# Altium PCB carrier.PcbDoc (part 4 of 5) (continued)
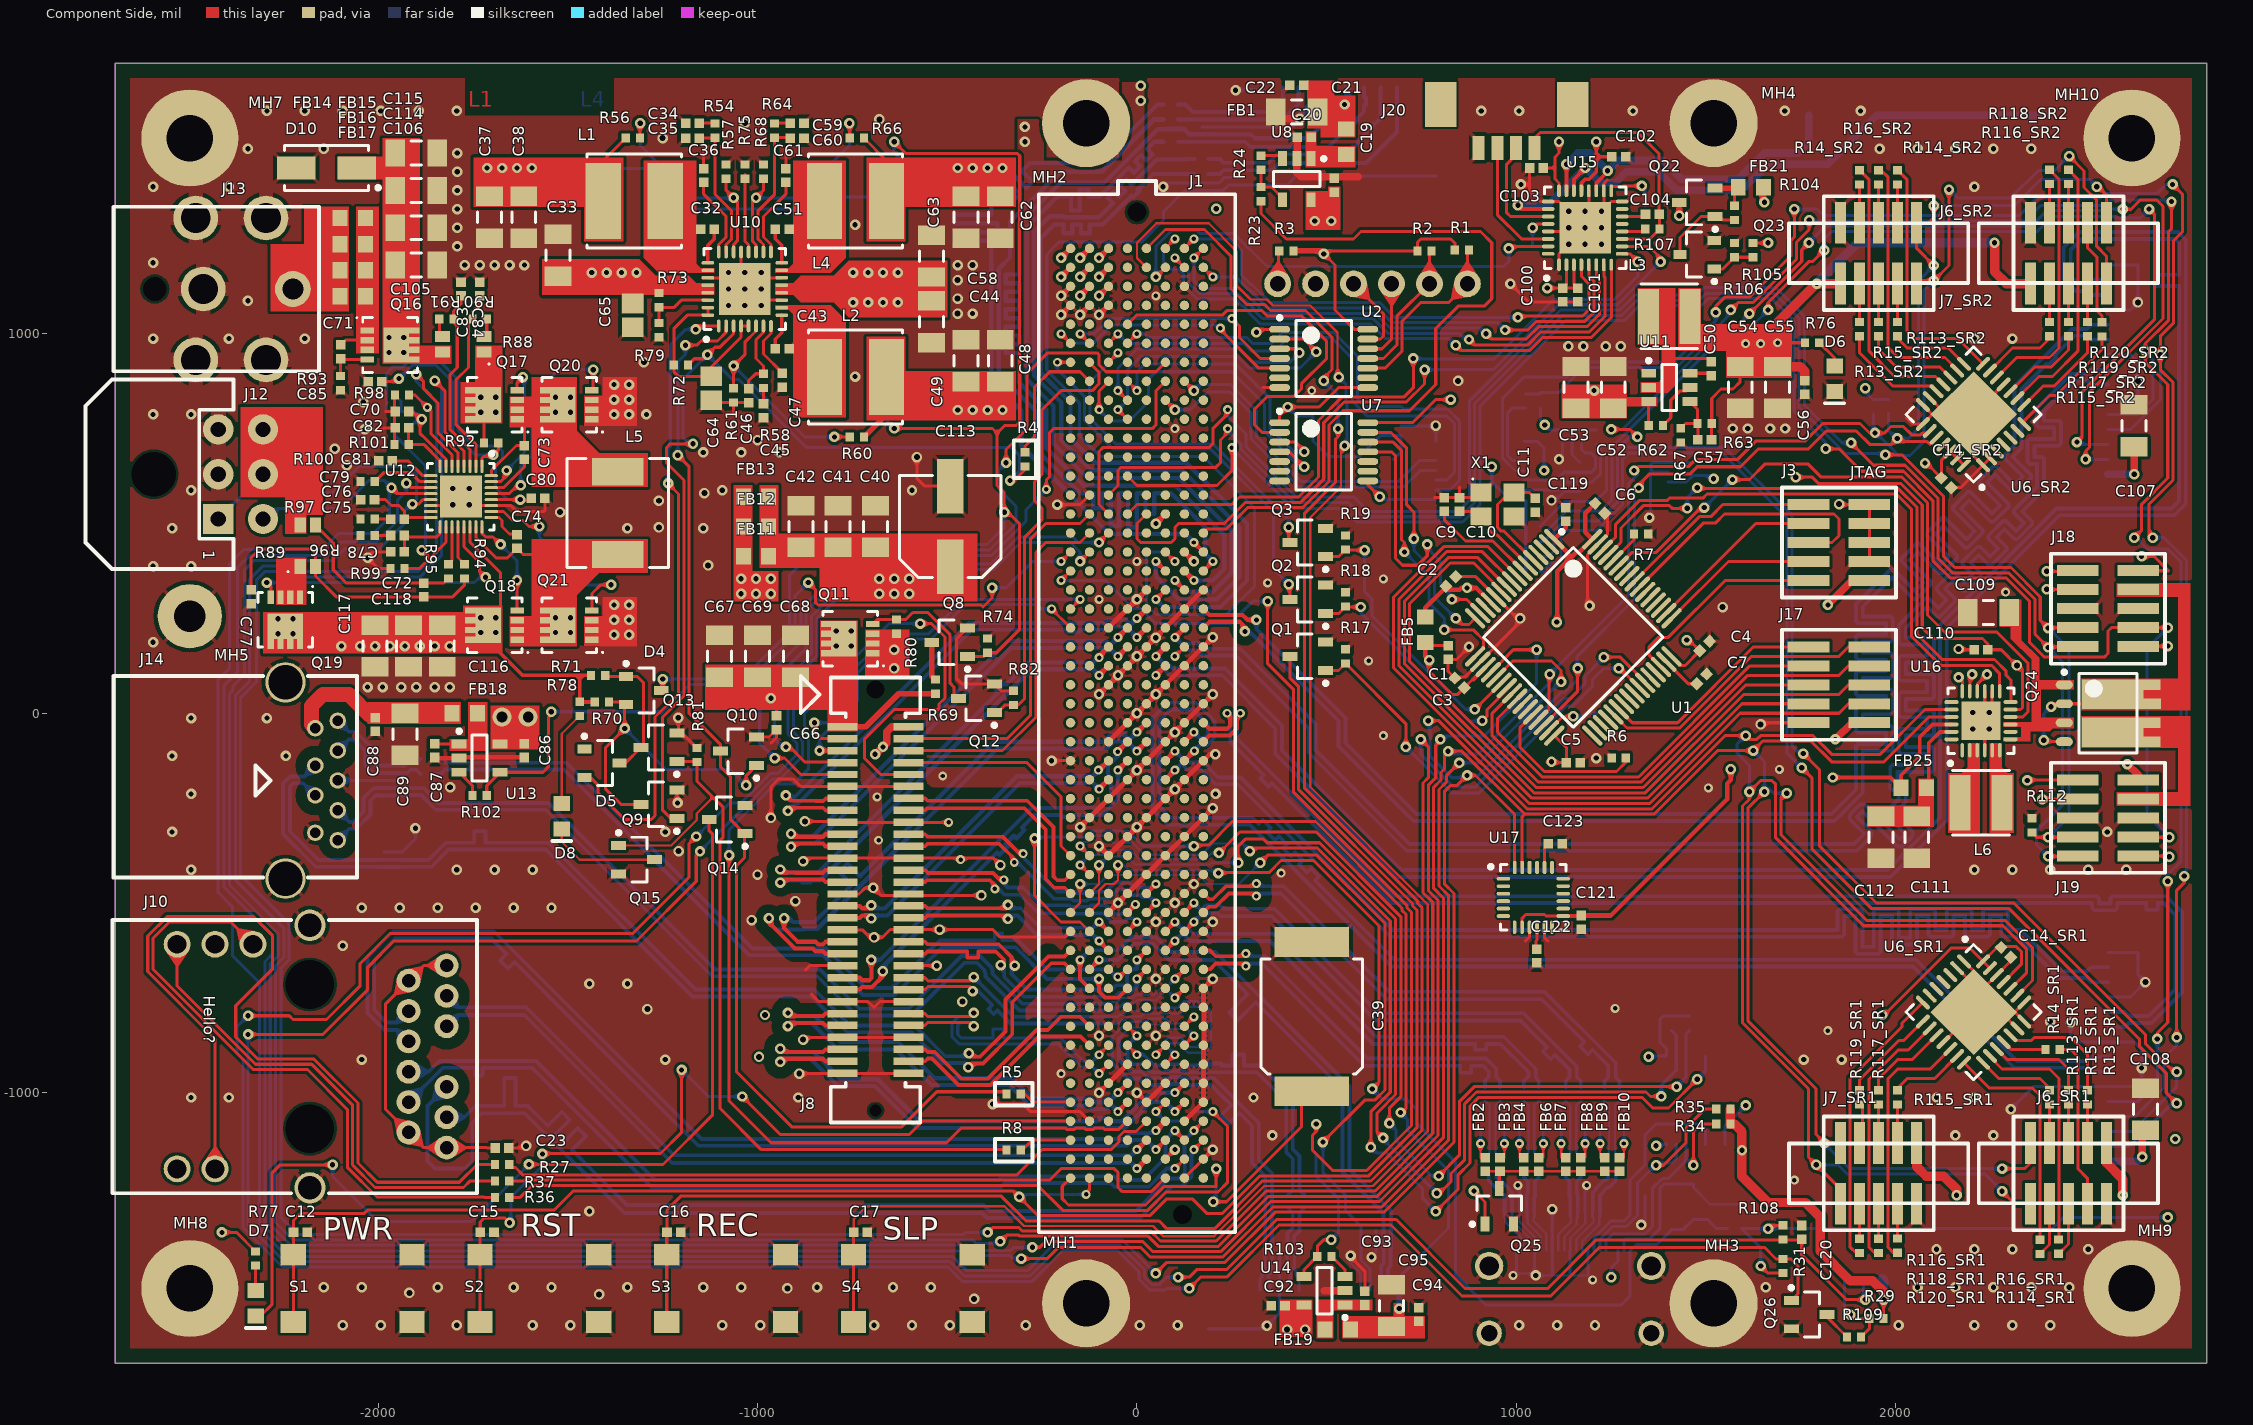
[diagram p0: Component Side view]
## Nets (pads, with @x,y where several pads share a name; then routed paths per layer and width w, separated by ;. In a path a pad name is that pad's centre, name@x,y a point inside that pad or via, vN(x,y) a via of type N, cw(c..) or ccw(c..) an arc to the next point about the centre after c; other vN are vias at no path point) (continued)
  Solder Side w8: v3(200,1150) 260.2,1150 294.42,1115.78 297.25,1115.78 335.78,1077.25 335.78,1074.42 340.48,1069.72 342.21,1069.72 344.03,1067.89 633.96,1067.89 672.55,1029.31 950.69,1029.31 v1(970,1010)
NetJ1_H7: J1.H7
NetJ1_H8: J1.H8
NetJ1_H9: J1.H9
NetJ1_H10: J1.H10
NetJ1_H12: J1.H12
NetJ1_H16: J1.H16 R23.1 | length 2026
  Component Side w8: J1.H16@175,475 186,486 235.8,486 291.8,542 437.2,542 506.22,611.02 506.22,759.85 543.61,797.24 718.5,797.24 787.4,866.14 787.4,1013.78 846.46,1072.83 915.35,1072.83 935.04,1092.52 935.04,1240.16 905.51,1269.68 590.55,1269.68 570.87,1250 393.7,1250 326.77,1316.93 R23.1@326.77,1349.41
NetJ1_H23: J1.H23
NetJ1_H24: J1.H24
NetJ2_1: J2.1 R3.1 | length 84.3
  Component Side w8: J2.1@372.68,1131.89 R3.1@372.68,1216.18
NetJ2_3: J2.3 U2.13 | length 215
  Component Side w8: J2.3@570.87,1131.89 649.61,1053.15 649.61,994.09 641.73,986.22 U2.13@608.27,986.22
NetJ2_4: J2.4 U2.12 | length 219.1
  Component Side w8: U2.12@608.27,960.63 645.67,960.63 670.87,985.83 J2.4@670.87,1131.89
NetJ2_5: J2.5 R2.1 U2.11 | length 377.4
  Component Side w8: U2.11@608.27,935.04 649.61,935.04 684.87,970.3 684.87,1045.89 J2.5@770.87,1131.89 770.87,1212.8 R2.1@776.57,1218.5
NetJ2_6: J2.6 R1.1 U2.10 | length 491.2
  Component Side w8: U2.10@608.27,909.45 653.54,909.45 698.87,954.77 698.87,1033.51 747.24,1081.89 820.87,1081.89 J2.6@870.87,1131.89 870.87,1216.34 R1.1@875,1220.47
NetJ4_11: J4.11 J5.11 R20.2 R21.1 | length 4920.3
  Component Side w8: v1(1564.96,1062.99) 1584.65,1082.68 1623.9,1082.68 1737.97,1196.74 1737.97,1240.99 1771.65,1274.68 v1(1771.65,1299.21) ; v1(2627.95,462.6) 2647.64,482.28 2647.64,551.18 2716.54,620.08 2716.54,866.14 2657.48,925.2 v1(2657.48,954.72) 2657.48,974.18 2718,1034.7 2718,1268.2 2726.38,1276.58 v1(2726.38,1348.43) ; v1(2688.98,-858.27) 2688.98,-842.52 2716.54,-814.96 v1(2716.54,-442.91)
  Solder Side w8: R21.1@1023.62,841.54 R20.2@1062.99,841.54 ; R20.2@1062.99,845.47 1111.33,845.47 1177.06,911.2 1422,911.2 1573.8,1062.99 v1(1564.96,1062.99) ; v1(1771.65,1299.21) 1773.18,1297.68 2341.11,1297.68 2382,1338.58 2549.21,1338.58 2563.15,1352.52 2722.28,1352.52 v1(2726.38,1348.43) ; J4.11@2559.06,-1023.62 2637.8,-1023.62 2688.98,-972.44 v1(2688.98,-858.27) ; J5.11@2559.06,787.4 2637.68,787.4 2677.17,826.89 2677.17,930.94 2657.48,950.62 v1(2657.48,954.72) ; v1(2627.95,462.6) 2637.8,462.6 2643.54,456.85 2643.54,452.75 2663.22,433.07 2716.54,433.07 2751.97,397.64 2751.97,-389.76 2716.54,-425.2 v1(2716.54,-442.91)
NetJ4_12: J4.12 J5.12 U4.11 | length 5337.8
  Component Side w8: v1(1525.59,1056.29) 1525.59,1072.83 1549.43,1096.68 1614.17,1096.68 1723.97,1206.47 1723.97,1246.79 1732.28,1255.11 v1(1732.28,1328.74) ; v1(2677.17,462.6) 2675.64,462.6 2667.32,470.91 2667.32,551.07 2730.54,614.28 2730.54,871.94 2696.85,905.63 v1(2696.85,944.88) 2696.85,993.75 2732,1028.9 2732,1245.78 2755.91,1269.68 2755.91,1367.13 v1(2729.33,1393.7) ; v1(2740.16,-854.33) 2740.16,-466.54 2759.84,-446.85 v1(2759.84,-429.13)
  Solder Side w8: U4.11@1020.14,640 996.17,640 962.83,673.34 962.83,828.98 1019.69,885.83 1131.89,885.83 1171.26,925.2 1416.2,925.2 1525.59,1034.59 v1(1525.59,1056.29) ; v1(1732.28,1328.74) 1791.34,1328.74 1808.39,1311.68 2325.46,1311.68 2372.05,1358.27 2539.37,1358.27 2551.18,1370.08 2688.98,1370.08 2712.6,1393.7 v1(2729.33,1393.7) ; J4.12@2559.06,-1062.99 2629.92,-1062.99 2706.69,-986.22 2706.69,-907.48 2740.16,-874.02 v1(2740.16,-854.33) ; J5.12@2559.06,748.03 2618.11,748.03 2696.85,826.77 v1(2696.85,944.88) ; v1(2677.17,462.6) 2706.69,462.6 2706.69,462.71 2765.97,403.44 2765.97,-413.28 2759.84,-419.41 v1(2759.84,-429.13)
NetJ10_13: J10.13 R27.1 | length 2319
  Component Side w8: J10.13@-2429.53,-1200.79 -2429.53,-858.22 -2606.94,-680.8 -2606.94,-587.15 -2555.8,-536 -2328.29,-536 -2277.78,-586.51 -2277.78,-673.33 -2375,-770.56 -2375,-853.35 -2317.35,-911 -2169.2,-911 -2052.93,-1027.27 -2052.93,-1185.15 -2002.08,-1236 -1786,-1236 -1738.98,-1188.98 R27.1@-1691.93,-1188.98
NetJ10_15: J10.15 R36.2 | length 1626.8
  Component Side w8: J10.15@-2329.53,-608.79 -2388.31,-550 -2550,-550 -2592.94,-592.94 -2592.94,-675 -2328.94,-939 -2186,-939 -2080.93,-1044.07 -2080.93,-1196.74 -2002.67,-1275 -1720.47,-1275 -1719.88,-1275.59 R36.2@-1691.93,-1275.59
NetJ10_17: J10.17 R37.1 | length 1269.1
  Component Side w8: J10.17@-2529.53,-608.79 -2529.53,-718.62 -2323.15,-925 -2175,-925 -2066.93,-1033.07 -2066.93,-1190.94 -2007.87,-1250 -1775,-1250 -1757.28,-1232.28 R37.1@-1691.93,-1232.28 ; R37.1@-1693.7,-1230.31 R37.1@-1691.93,-1230.31
NetJ12_1: J12.1 R84.2 | length 250.8
  Solder Side w8: J12.1@-2421.26,511.81 -2362.2,570.87 -2207.83,570.87 R84.2@-2198.7,580
NetJ12_4: J12.4 R83.2 | length 116.1
  Solder Side w8: J12.4@-2303.15,511.81 -2291.34,511.81 -2263.15,540 R83.2@-2198.7,540
NetJ16_4: J16.4 R29.2 R109.1 | length 213.1
  Component Side w8: v1(1879.92,-1584.65) 1889.76,-1594.49 R29.2@1930.12,-1594.49 1930.12,-1622.05 R109.1@1908.46,-1643.7
  Solder Side w8: J16.4@1865.16,-1490.16 1865.16,-1569.88 v1(1879.92,-1584.65)
NetJ17_3: J17.3 U1.8 | length 2111.2
  Component Side w8: U1.8@1002.45,361.47 923.92,440 810,440 676.5,306.5 676.5,119.3 1033.55,-237.75 1351.45,-237.75 1589.2,0 1850,0 1875,25 J17.3@1930,25
NetJ17_4: J17.4 U1.9 | length 1884.9
  Component Side w8: U1.9@988.53,347.55 910.08,426 816,426 690.5,300.5 690.5,125.1 947.51,-131.91 948.68,-131.91 1040.52,-223.75 1345.65,-223.75 1594.4,25 J17.4@1770,25
NetJ17_5: J17.5 U1.10 | length 1997.7
  Component Side w8: U1.10@974.62,333.63 898.24,410 820,410 704.5,294.5 704.5,130.9 886.54,-51.14 887.71,-51.14 1046.32,-209.75 1339.85,-209.75 1599.6,50 1850,50 1875,75 J17.5@1930,75
NetJ17_6: J17.6 U1.11 | length 1773.5
  Component Side w8: U1.11@960.7,319.71 960.7,322.93 887.63,396 825.8,396 718.5,288.7 718.5,136.7 892.34,-37.14 893.51,-37.14 1052.12,-195.75 1334.05,-195.75 1604.8,75 J17.6@1770,75
NetJ17_7: J17.7 U1.24 | length 1305.3
  Component Side w8: U1.24@988.53,52.45 936,-0.08 936,-59.33 1058.42,-181.75 1328.05,-181.75 1609.8,100 1850,100 1875,125 J17.7@1930,125
NetJ17_8: J17.8 U1.25 | length 1100.3
  Component Side w8: U1.25@1002.45,38.53 950,-13.92 950,-50 1067.75,-167.75 1322.25,-167.75 1615,125 J17.8@1770,125
NetJ17_9: J17.9 U1.37 | length 777.7
  Component Side w8: U1.37@1255.79,-3.22 1291.56,-39 1430.8,-39 1619.8,150 1850,150 1875,175 J17.9@1930,175
NetJ17_10: J17.10 U1.38 | length 597.9
  Component Side w8: U1.38@1269.71,10.7 1305.4,-25 1425,-25 1625,175 J17.10@1770,175
NetJ18_7: J18.7 Q24.B1 Q24.B2 Q24.C1 | length 328.2
  Component Side w8: v1(2389.76,-70.87) 2393.9,-75 Q24.B2@2443.9,-75 ; v1(2409.15,17.42) 2416.73,25 Q24.B1@2443.9,25 2546.65,25 Q24.C1@2571.65,50
  Solder Side w8: v1(2389.76,-70.87) 2389.76,-1.97 v1(2409.15,17.42)
NetJ18_8: J18.8 J19.8 U16.17 | length 968.7
  Component Side w8: U16.17@2194.88,58.07 2194.88,96.46 v1(2200.79,102.36) ; v1(2385.83,-226.77) 2387.01,-225.59 J19.8@2479.06,-225.59 ; v1(2397.64,326.77) 2398.82,325.59 J18.8@2479.06,325.59
  Power_layer1 w20: v1(2385.83,-226.77) 2385.83,-165.35 2314.96,-94.49 2314.96,27.56 2271.65,70.87 2212.6,70.87 2200.79,82.68 v1(2200.79,102.36) 2200.79,114.17 2330.71,244.09 2330.71,259.84 v1(2397.64,326.77)
NetJ18_9: J18.9 J19.9 U16.16 | length 1418.2
  Component Side w8: U16.16@2214.57,58.07 2214.57,76.77 v1(2240.16,102.36) ; J18.9@2639.06,375.59 2718.11,375.59 2680.32,413.39 v1(2647.64,413.39)
  Component Side w20: v1(2610.24,-133.86) 2639.06,-162.68 J19.9@2639.06,-175.59
  Power_layer1 w20: v1(2240.16,102.36) 2300.41,102.36 2312.22,90.55 2350.39,90.55 ; v1(2610.24,-133.86) 2401.57,-133.86 2350.39,-82.68 2350.39,90.55 ; v1(2647.64,413.39) 2647.64,305.12 2622.05,279.53 2401.57,279.53 2366.14,244.09 2366.14,106.3 2350.39,90.55
NetJ18_10: J18.10 J19.10 U16.18 | length 1022
  Component Side w8: v1(2165.35,94.49) 2175.2,84.65 U16.18@2175.2,58.07 ; v1(2346.46,-177.17) 2348.03,-175.59 J19.10@2479.06,-175.59 ; v1(2397.64,374.02) 2477.48,374.02 J18.10@2479.06,375.59
  Power_layer1 w20: v1(2346.46,-177.17) 2346.46,-173.23 2283.46,-110.24 2283.46,15.75 2259.84,39.37 2192.91,39.37 2165.35,66.93 v1(2165.35,94.49) 2165.35,125.98 2291.34,251.97 2291.34,275.59 2389.76,374.02 v1(2397.64,374.02)
NetJ19_7: J19.7 Q24.C2
NetJ20_2: J20.2 U15.27 | length 294.8
  Component Side w8: J20.2@999.02,1490.16 999.02,1471.46 974.41,1446.85 974.41,1318.9 984.25,1309.06 U15.27@1083.66,1309.06
NetJ20_3: J20.3 U15.30 | length 336.5
  Component Side w8: J20.3@949.8,1490.16 949.8,1313.98 1013.78,1250 U15.30@1083.66,1250
NetL6_1: L6.1 U16.5 U16.6
NetL6_2: L6.2 U16.2 U16.3
NetQ5_D: Q5.D R55.2 | length 51.6
  Solder Side w8: R55.2@-1555.12,1398.62 -1504.92,1398.62 Q5.D@-1503.94,1397.64
NetQ6_D: Q6.D R59.2 | length 51.6
  Solder Side w8: Q6.D@-562.99,836.61 -512.8,836.61 R59.2@-511.81,837.6
NetQ7_D: Q7.D R65.2 | length 51.6
  Solder Side w8: Q7.D@-562.99,1397.64 -512.8,1397.64 R65.2@-511.81,1398.62
NetQ8_D: Q8.D R69.1 | length 102.3
  Component Side w15: Q8.D@-540.8,187.01 -540.8,97.89 R69.1@-531.5,88.58
NetQ9_G: Q9.G R4.2 R72.2 U10.3 | length 2640.6
  Component Side w8: Q9.G@-1212.76,-277.4 -1228.56,-277.4 -1250,-255.96 -1250,-10 -1194,46 -1194,614 -1240,660 -1240,700 -1230,710 v1(-1170,710) ; R72.2@-1183.16,917.48 -1166.43,934.21 -1142.56,934.21 v7(-1131.89,944.88) -1112.2,964.57 -1099.41,964.57 -1062.99,1000.98 U10.3@-1062.99,1020.67 ; v1(-334.65,613.11) -323.73,613.11 -295,641.84 R4.2@-295,651.3
  Solder Side w8: v1(-1170,710) -1180,710 -1196,726 -1196,880.77 v7(-1131.89,944.88) -1066.93,879.92 -1049.92,879.92 -870,700 -330.16,700 -310,679.84 -310,637.76 v1(-334.65,613.11)
NetQ10_D: Q10.D Q14.G R5.2 U10.2 | length 2958.7
  Component Side w8: v1(-1210,680) -1180,650 -1180,0 -1097.24,-82.76 Q10.D@-1097.24,-100 -1097.24,-141.65 -1070.87,-168.03 -1070.87,-280.71 Q14.G@-1034.17,-317.4 ; v7(-1190,970) -1160,970 -1148.7,981.3 -1105.32,981.3 -1082.68,1003.94 U10.2@-1082.68,1020.67 ; Q14.G@-1032.76,-317.4 Q14.G@-1033.46,-317.4 ; R5.2@-343.5,-1003.94 -349.99,-997.46 -527.46,-997.46 -620,-1090 -910,-1090 -1055.12,-944.88 -1055.12,-401.57 -1034.17,-380.63 Q14.G@-1034.17,-317.4 ; Q14.G@-1034.17,-317.4 -1033.46,-316.69 Q14.G@-1033.46,-317.4 ; Q14.G@-1034.17,-317.4 Q14.G@-1033.46,-317.4
  Solder Side w8: v1(-1210,680) -1210,925.83 -1190,945.83 v7(-1190,970)
NetQ11_G: Q11.G Q12.D R80.1 | length 417.5
  Component Side w8: Q11.G@-696.26,235.24 -684.45,247.05 R80.1@-633.86,247.05 -609.25,247.05 -590.55,265.75 -551.18,265.75 -492.13,206.69 -492.13,78.74 -482.28,68.9 -482.28,51.18 Q12.D@-470.47,39.37
NetQ13_G: Q13.G Q15.G R8.2 R81.1 | length 2107.3
  Component Side w6: Q15.G@-1366.14,-348.43 -1227.36,-348.43 -1160.11,-281.18 -1160.11,-264.45 -1117.13,-221.46
  Component Side w8: Q13.G@-1212.76,-127.4 -1161.3,-127.4 R81.1@-1160,-128.7 ; R81.1@-1160,-131.65 -1160,-178.58 -1117.13,-221.46 -1090.55,-248.03 -1090.55,-326.61 -1098.58,-334.65 -1098.58,-1041.42 -990,-1150 -345.08,-1150 R8.2@-343.5,-1151.57
NetQ17_G: Q17.G U12.31 | length 371
  Component Side w8: U12.31@-1701.77,610.24 -1677.17,610.24 -1661.42,625.98 v1(-1661.42,639.76) ; Q17.G@-1633.27,851.38 -1633.27,870.67 v1(-1618.11,885.83)
  Solder Side w8: v1(-1661.42,639.76) -1614.17,687.01 -1614.17,885.83 v1(-1618.11,885.83)
NetQ18_G: Q18.G U12.24 | length 270.6
  Component Side w8: U12.24@-1726.38,491.14 -1726.38,474.41 -1716.54,464.57 -1696.85,464.57 v1(-1677.17,444.88) ; v1(-1633.86,350.39) -1633.86,271.26 Q18.G@-1633.27,270.67
  Solder Side w8: v1(-1677.17,444.88) -1633.86,401.57 v1(-1633.86,350.39)
NetQ19_G: Q19.G U12.21 | length 788.8
  Component Side w8: v1(-2293.31,344.49) -2282.48,333.66 Q19.G@-2282.48,305.71 ; U12.21@-1773.62,491.14 -1773.62,438.98 -1732.28,397.64 -1732.28,374.02 v1(-1716.54,358.27)
  Solder Side w8: v1(-2293.31,344.49) -1746.06,344.49 -1724.41,366.14 v1(-1716.54,358.27)
NetQ20_G: Q20.G U12.29 | length 579.5
  Component Side w8: U12.29@-1701.77,578.74 -1655,578.74 -1633.34,600.4 v1(-1624.01,600.4) ; Q20.G@-1436.42,851.38 -1433.07,854.72 v1(-1433.07,905.51)
  Solder Side w8: v1(-1624.01,600.4) -1624.01,649.61 -1594.49,679.13 -1594.49,834.65 -1523.62,905.51 v1(-1433.07,905.51)
NetQ21_G: Q21.G U12.26 | length 517
  Component Side w8: U12.26@-1701.77,531.5 -1669.29,531.5 -1645.67,507.87 -1618.11,507.87 -1602.36,492.13 v1(-1574.8,492.13) ; Q21.G@-1436.42,270.67 -1436.42,315.55 -1413.39,338.58 v1(-1385.83,338.58)
  Solder Side w8: v1(-1574.8,492.13) -1574.8,464.57 -1448.82,338.58 v1(-1385.83,338.58)
NetQ22_G: Q22.G Q23.C R104.1 | length 215.5
  Component Side w8: Q23.C@1431.1,1208.66 1431.1,1232.28 1431.1,1253.94 1486.22,1309.06 Q22.G@1523.62,1309.06 1535.43,1309.06 1544.29,1300.2 R104.1@1574.8,1300.2
NetQ23_B: Q23.B R105.2 R106.2 | length 115
  Component Side w8: Q23.B@1521.65,1171.26 1544.29,1171.26 R106.2@1574.8,1201.77 R105.2@1624.02,1201.77
NetQ26_D: Q26.D R109.2 | length 80.7
  Component Side w8: Q26.D@1818.9,-1584.65 1818.9,-1591.54 R109.2@1871.06,-1643.7
NetR6_2: R6.2 U1.28 | length 427.9
  Component Side w8: U1.28@1044.21,-3.22 1008.87,-38.56 1008.87,-89.08 1073.55,-153.75 1263.57,-153.75 1288.39,-128.94 R6.2@1288.39,-118.11
NetR7_2: R7.2 U1.60 | length 91.7
  Component Side w8: U1.60@1255.79,403.22 1310.04,457.48 R7.2@1310.04,472.44
NetR11_1: R11.1 U3.22 U4.13 | length 301.4
  Solder Side w8: U4.13@1020.14,588.82 1108.82,588.82 1129.57,609.57 U3.22@1167.64,609.57 1200.12,609.57 1222,631.45 1222,697.29 R11.1@1210.63,708.66
NetR12_1: R12.1 U3.23 U4.12 | length 289.5
  Solder Side w8: U4.12@1020.14,614.41 1104.41,614.41 1125.16,635.16 U3.23@1167.64,635.16 1197.71,635.16 1208,645.45 1208,674.51 1197.16,685.35 1181.1,685.35 1171.26,695.2 R12.1@1171.26,709.65
NetR13_SR1_1: R13_SR1.1 U6_SR1.19 | length 325.1
  Component Side w8: U6_SR1.19@2302.16,-848.65 2315.91,-862.4 2356.87,-862.4 2364.94,-854.33 2460.63,-854.33 2504.72,-898.43 R13_SR1.1@2504.72,-993.7
NetR13_SR2_1: R13_SR2.1 U6_SR2.19 | length 288.5
  Component Side w8: R13_SR2.1@1904.72,993.7 1904.72,949.61 1991.93,862.4 2093.53,862.4 U6_SR2.19@2107.29,848.65
NetR14_SR1_1: R14_SR1.1 U6_SR1.18 | length 118.5
  Component Side w8: U6_SR1.18@2284.07,-866.74 2303.15,-885.83 R14_SR1.1@2394.68,-885.83
NetR14_SR2_1: R14_SR2.1 U6_SR2.18 | length 719.2
  Component Side w8: R14_SR2.1@1904.72,1431.1 1929.72,1406.1 1929.72,954.13 1996.46,887.4 2104.72,887.4 U6_SR2.18@2125.38,866.74
NetR15_SR1_1: R15_SR1.1 U6_SR1.17 | length 266.8
  Component Side w8: U6_SR1.17@2265.97,-884.84 2293.53,-912.4 2429.72,-912.4 2454.72,-937.4 R15_SR1.1@2454.72,-993.7
NetR15_SR2_1: R15_SR2.1 U6_SR2.17 | length 254.4
  Component Side w8: R15_SR2.1@1954.72,993.7 1954.72,958.66 2000.98,912.4 2115.92,912.4 U6_SR2.17@2143.48,884.84
NetR16_SR1_1: R16_SR1.1 U6_SR1.16 | length 639.3
  Component Side w8: U6_SR1.16@2247.87,-902.93 2247.87,-905.55 2279.72,-937.4 2404.72,-937.4 2429.72,-962.4 R16_SR1.1@2429.72,-1393.7
NetR16_SR2_1: R16_SR2.1 U6_SR2.16 | length 690.3
  Component Side w8: R16_SR2.1@1954.72,1431.1 1961.02,1431.1 1979.72,1412.4 1979.72,963.19 2005.51,937.4 2129.72,937.4 2161.57,905.55 U6_SR2.16@2161.57,902.93
NetR21_2: R21.2 U4.10 | length 213.5
  Solder Side w8: U4.10@1020.14,665.59 990.38,665.59 976.83,679.13 976.83,791.8 989.17,804.13 R21.2@1023.62,804.13
NetR23_2: R23.2 R24.1 U8.4 | length 117.4
  Component Side w8: R24.1@326.77,1432.09 R23.2@326.77,1386.81 354.33,1386.81 U8.4@385.83,1355.32
NetR24_2: R24.2 U8.3 | length 61.5
  Component Side w8: R24.2@326.77,1469.49 379.92,1469.49 U8.3@385.83,1463.58
NetR56_2: R56.2 R57.1 U10.22 | length 611.2
  Component Side w8: R56.2@-1310.04,1515.75 -1310.04,1554.13 v1(-1309.06,1555.12) ; R57.1@-1082.68,1408.46 -1082.68,1377.95 v7(-1062.99,1358.27) -1053.15,1348.43 -1053.15,1244.85 -1062.99,1235.01 U10.22@-1062.99,1215.55
  Solder Side w8: v1(-1309.06,1555.12) -1309.06,1496.06 -1171.26,1358.27 v7(-1062.99,1358.27)
NetR60_2: R60.2 R61.1 U10.6 | length 572.4
  Component Side w8: R61.1@-1062.99,856.3 v7(-1062.99,915.35) -1033.46,944.88 -1033.46,977.74 -1003.94,1007.27 U10.6@-1003.94,1020.67 ; v1(-797.24,728.35) R60.2@-756.89,728.35
  Solder Side w8: v7(-1062.99,915.35) -875.98,728.35 v1(-797.24,728.35)
NetR62_2: R62.2 U11.5 | length 139.5
  Component Side w8: R62.2@1386.1,758.27 1406.77,778.94 1406.77,825.2 1430.39,848.82 1447.13,848.82 U11.5@1456.97,858.66
NetR66_2: R66.2 R68.1 U10.19 | length 611.2
  Component Side w8: U10.19@-1003.94,1215.55 -1003.94,1235.01 -1013.78,1244.85 -1013.78,1348.43 v7(-1003.94,1358.27) -984.25,1377.95 R68.1@-984.25,1408.46 ; v1(-757.87,1555.12) -756.89,1554.13 R66.2@-756.89,1515.75
  Solder Side w8: v7(-1003.94,1358.27) -895.67,1358.27 -757.87,1496.06 v1(-757.87,1555.12)
NetR73_1: R73.1 R79.2 U10.30 | length 176.1
  Component Side w8: R79.2@-1259.84,1028.54 R73.1@-1259.84,1067.91 ; R73.1@-1259.84,1069.88 -1219.49,1069.88 -1200.79,1088.58 U10.30@-1130.91,1088.58
NetR75_2: R75.2 U10.20 | length 207.8
  Component Side w8: R75.2@-1033.46,1419.29 R75.2@-1033.46,1408.46 -1033.46,1244.74 -1023.62,1234.89 U10.20@-1023.62,1215.55
NetR85_2: R85.2 R98.1 U12.6 | length 305.8
  Component Side w8: R98.1@-1918.31,838.58 -1902.56,838.58 -1898.62,834.65 v6(-1870.08,806.1) -1860,796.02 -1860,735.98 -1805.12,681.1 U12.6@-1805.12,650.59
  Solder Side w8: R85.2@-1918.31,838.58 -1902.56,838.58 v6(-1870.08,806.1)
NetR86_2: R86.2 R99.1 U12.18 | length 570.3
  Component Side w8: R99.1@-1930.12,381.89 -1889.76,381.89 -1860,411.65 ; v1(-1885,430) -1866.65,411.65 -1860,411.65 ; U12.18@-1820.87,491.14 -1820.87,450.79 -1860,411.65
  Solder Side w8: R86.2@-1955.71,751.97 -1955.71,732.28 -1875,651.57 -1875,440 v1(-1885,430)
NetR88_S1: R88.S1 R91.2 | length 49.9
  Component Side w8: R88.S1@-1720.91,992.52 -1713.58,999.84 R91.2@-1713.58,1039.37
NetR88_S2: R88.S2 R90.2 | length 50.3
  Component Side w8: R90.2@-1838.58,1039.37 -1838.58,1000.83 R88.S2@-1830.28,992.52
NetR94_1: R94.1 U12.20 | length 105.8
  Component Side w8: U12.20@-1789.37,491.14 -1789.37,410.43 R94.1@-1771.65,392.72
NetR95_1: R95.1 U12.19 | length 102.5
  Component Side w8: R95.1@-1814.96,392.72 -1805.12,402.56 U12.19@-1805.12,491.14
NetR100_2: R100.2 U12.10 | length 167.2
  Component Side w8: R100.2@-2008.86,610.24 -1985.24,633.86 -1913.39,633.86 -1889.76,610.24 U12.10@-1861.22,610.24
NetR102_2: R102.2 U13.3 | length 75.7
  Component Side w8: U13.3@-1786.42,-155.51 -1750.98,-190.94 R102.2@-1750.98,-216.54
NetR103_2: R103.2 U14.3 | length 67.8
  Component Side w8: R103.2@512.8,-1431.1 548.23,-1466.54 U14.3@548.23,-1484.25
NetR107_2: R107.2 U15.12 | length 63.5
  Component Side w8: U15.12@1278.54,1269.69 1333.66,1269.69 R107.2@1339.57,1275.59
NetR113_SR1_1: R113_SR1.1 U6_SR1.15 | length 208.7
  Component Side w8: U6_SR1.15@2229.78,-921.03 2271.15,-962.4 2379.72,-962.4 2404.72,-987.4 R113_SR1.1@2404.72,-993.7
NetR113_SR2_1: R113_SR2.1 U6_SR2.15 | length 208.7
  Component Side w8: R113_SR2.1@2004.72,993.7 2004.72,987.4 2029.72,962.4 2138.3,962.4 U6_SR2.15@2179.67,921.03
NetR114_SR1_1: R114_SR1.1 U6_SR1.14 | length 615.8
  Component Side w8: U6_SR1.14@2179.67,-921.03 2246.04,-987.4 2359.72,-987.4 2379.72,-1007.4 R114_SR1.1@2379.72,-1387.4
NetR114_SR2_1: R114_SR2.1 U6_SR2.14 | length 669.9
  Component Side w8: R114_SR2.1@2004.72,1431.1 2029.72,1406.1 2029.72,1007.4 2049.72,987.4 2163.41,987.4 U6_SR2.14@2229.78,921.03
NetR115_SR1_1: R115_SR1.1 U6_SR1.13 | length 198.1
  Component Side w8: R115_SR1.1@2004.72,-993.7 2004.72,-987.4 2029.72,-962.4 2102.11,-962.4 U6_SR1.13@2161.57,-902.93
NetR115_SR2_1: R115_SR2.1 U6_SR2.13 | length 198.1
  Component Side w8: U6_SR2.13@2247.87,902.93 2307.34,962.4 2379.72,962.4 2404.72,987.4 R115_SR2.1@2404.72,993.7
NetR116_SR1_1: R116_SR1.1 U6_SR1.12 | length 672.2
  Component Side w8: R116_SR1.1@2004.72,-1421.75 1993.41,-1421.75 1979.72,-1408.07 1979.72,-962.4 2004.72,-937.4 2090.92,-937.4 U6_SR1.12@2143.48,-884.84
NetR116_SR2_1: R116_SR2.1 U6_SR2.12 | length 675.9
  Component Side w8: U6_SR2.12@2265.97,884.84 2318.53,937.4 2404.72,937.4 2429.72,962.4 2429.72,1407.09 R116_SR2.1@2404.72,1432.09
NetR117_SR1_1: R117_SR1.1 U6_SR1.10 | length 230.9
  Component Side w8: R117_SR1.1@1954.72,-993.7 1954.72,-962.6 2004.92,-912.4 2043.53,-912.4 U6_SR1.10@2107.29,-848.65
NetR117_SR2_1: R117_SR2.1 U6_SR2.10 | length 233.9
  Component Side w8: U6_SR2.10@2302.16,848.65 2365.91,912.4 2409.73,912.4 2454.72,957.39 R117_SR2.1@2454.72,993.7
NetR118_SR1_1: R118_SR1.1 U6_SR1.9 | length 689.7
  Component Side w8: R118_SR1.1@1954.72,-1422.24 1943.9,-1422.24 1929.72,-1408.07 1929.72,-963.98 2006.3,-887.4 2032.34,-887.4 U6_SR1.9@2089.19,-830.55
NetR118_SR2_1: R118_SR2.1 U6_SR2.9 | length 699
  Component Side w8: U6_SR2.9@2320.26,830.55 2377.11,887.4 2412.99,887.4 2479.72,954.13 2479.72,1407.09 R118_SR2.1@2454.72,1432.09
NetR119_SR1_1: R119_SR1.1 U6_SR1.8 | length 258.1
  Component Side w8: R119_SR1.1@1904.72,-993.7 1904.72,-965.35 2007.68,-862.4 2021.15,-862.4 U6_SR1.8@2071.1,-812.46
NetR119_SR2_1: R119_SR2.1 U6_SR2.8 | length 267.3
  Component Side w8: U6_SR2.8@2338.35,812.46 2388.3,862.4 2417.52,862.4 2504.72,949.61 R119_SR2.1@2504.72,993.7
NetR120_SR1_1: R120_SR1.1 U6_SR1.7 | length 755.4
  Component Side w8: R120_SR1.1@1904.72,-1422.24 1894.69,-1422.24 1879.72,-1407.28 1879.72,-962.8 2015.75,-826.77 2015.75,-817.7 U6_SR1.7@2071.1,-762.35
NetR120_SR2_1: R120_SR2.1 U6_SR2.7 | length 325.8
  Component Side w8: U6_SR2.7@2338.35,762.35 2338.35,771.03 2404.72,837.4 2422.05,837.4 2543.31,958.66 R120_SR2.1@2543.31,993.11
NetSPK1_1: SPK1.1 U15.19 U15.23 | length 947.5
  Component Side w10: U15.23@1131.89,1376.97 v1(1131.89,1446.85) ; U15.19@1210.63,1376.97 1210.63,1397.64 1240.16,1427.17 v1(1240.16,1429.45)
  Solder Side w20: v1(1131.89,1446.85) 1161.42,1476.38 1193.23,1476.38 v1(1240.16,1429.45) 1267.4,1456.69 1386.11,1456.69 1435.32,1407.48 1584.65,1407.48 1653.54,1476.38 1742.13,1476.38 1770.04,1504.29 SPK1.1@1770.04,1575.63
NetSPK1_2: SPK1.2 U15.22 U15.26 | length 1723.7
  Component Side w10: v1(1003.94,1338.58) 1013.78,1328.74 U15.26@1083.66,1328.74 ; U15.22@1151.57,1376.97 1151.57,1407.48 v1(1181.1,1437.01)
  Solder Side w20: v1(1003.94,1338.58) 1082.68,1338.58 v1(1181.1,1437.01) 1220.47,1397.64 1259.84,1397.64 1289.37,1427.17 1373.38,1427.17 1422.59,1377.95 1594.49,1377.95 1663.39,1446.85 1820.87,1446.85 1949.65,1575.63 SPK1.2@2399.96,1575.63
NetU1_59: U1.59 U16.10 | length 1759.7
  Component Side w8: U1.59@1269.71,389.3 1303.63,423.23 1367.35,423.23 1485.46,541.34 v1(1495.3,541.95) ; v1(1569.2,615.84) 1614.17,615.84 1655.81,657.48 1767.83,657.48 1803.26,622.05 2016.09,622.05 2083.56,554.58 2083.56,258.96 2128.39,214.13 2266.18,214.13 2347.65,132.67 2347.65,3.16 2334.65,-9.84 U16.10@2302.17,-9.84
  Solder Side w8: v1(1495.3,541.95) v1(1569.2,615.84)
NetU1_61: U1.61 U16.12 | length 1651.7
  Component Side w8: U1.61@1241.87,417.14 1275.59,450.87 1275.59,488.19 1334.43,547.02 1403.44,547.02 1410.46,540 v1(1450,540) ; v1(1476.38,594.49) 1478.87,592 2006.54,592 2055.56,542.98 2055.56,208.33 2122.16,141.73 2259.84,141.73 2290.69,110.88 2290.69,100.15 2303.15,87.69 2303.15,28.54 U16.12@2302.17,29.53
  Solder Side w8: v1(1450,540) 1450,568.11 v1(1476.38,594.49)
NetU1_62: U1.62 U16.13 | length 1564.7
  Component Side w8: U1.62@1227.95,431.06 1261.59,464.7 1261.59,497.81 1324.8,561.02 1397.64,561.02 1403.7,567.09 1442.92,567.09 1443.08,566.93 1491.25,566.93 1502.32,578 2000.74,578 2041.56,537.18 2041.56,202.54 2118.11,125.98 2171.09,125.98 2171.25,126.14 2251.81,126.14 2273.62,104.33 U16.13@2273.62,58.07
nJRST: J3.10 U1.56 | length 542.4
  Component Side w8: U1.56@1311.47,347.55 1482.09,518.17 1512.15,518.17 1543.98,550 J3.10@1770,550
NVM_BATLOW: Q3.G R19.2 U1.22 | length 764.8
  Component Side w8: Q3.G@497.24,412.6 531.3,412.6 R19.2@550,431.3 551.3,430 v1(600,430) ; v1(890,10) 890.4,10 U1.22@960.7,80.29
  Solder Side w8: v1(600,430) 600,320 620,300 620,256.37 866.37,10 v1(890,10)
NVM_BATTOC: U1.15 U7.11 | length 741
  Component Side w8: U7.11@608.27,688.98 671.02,688.98 681.19,678.81 681.19,408.81 700,390 740.2,390 765,414.8 v1(765,445) ; v1(830,300) 869.05,300 U1.15@905.02,264.03
  Solder Side w8: v1(765,445) 765,435 800,400 800,340 830,310 v1(830,300)
NVM_CHARGE: Q2.G R18.2 U1.23 | length 667.1
  Component Side w8: Q2.G@497.24,262.6 531.3,262.6 R18.2@550,281.3 551.3,280 v1(590,280) ; v1(910,-20) 922,-8 922,8.41 974.62,61.03 U1.23@974.62,66.37
  Solder Side w8: v1(590,280) 590,265.2 875.2,-20 v1(910,-20)
NVM_RX7: U1.16 U7.13 | length 686.4
  Component Side w8: U7.13@608.27,740.16 669.29,740.16 680.88,728.57 681,728.57 710.85,698.71 710.85,549.15 730,530 v1(730,460) ; v1(840,250) 856,234 874.99,234 U1.16@891.1,250.11
  Solder Side w8: v1(730,460) 730,429 784,375 784,306 v1(840,250)
NVM_SCK: J1.C15 J18.2 J19.2 | length 4730.8
  Component Side w8: J1.C15@-75,525 -100,550 -100,690 -90,700 190,700 200,710 200,750 239,789 v3(239,800) ; v1(1881.89,712.6) 1940.94,653.54 2024.19,653.54 2111.56,566.18 2111.56,408.01 2149.71,369.86 2297.46,369.86 2366.52,300.8 2366.52,208.28 v1(2401.57,173.23) 2403.94,175.59 J18.2@2479.06,175.59 ; v1(2401.57,-377.17) 2477.48,-377.17 J19.2@2479.06,-375.59
  Solder Side w8: v3(239,800) 239,783.63 286.96,735.67 286.96,716.75 287.78,715.93 287.78,702.22 420,570 571.73,570 609.84,531.89 846.85,531.89 875.98,561.02 875.98,822.25 1116.29,1062.55 1272.35,1062.55 1312.16,1102.36 1475.67,1102.36 1495.35,1122.05 1671.7,1122.05 1673.23,1120.52 1684.83,1120.52 1759.3,1046.05 1759.3,994.09 1759.73,993.66 1759.73,811.02 1858.16,712.6 v1(1881.89,712.6) ; v1(2401.57,-377.17) 2370.08,-345.67 2370.08,-311.02 2438.76,-242.35 2438.76,136.05 v1(2401.57,173.23)
NVM_SD: J1.C14 J18.4 J19.4 R112.2 | length 4555.3
  Component Side w8: J1.C14@-75,575 -50,600 -50,640 -42,648 208,648 220.2,660.2 220.2,720.2 244.5,744.5 v3(239,750) ; v1(1972.44,681.1) 2016.43,681.1 2125.56,571.97 2125.56,413.81 2155.51,383.86 2303.26,383.86 2380.52,306.6 2380.52,245.46 v1(2401.57,224.41) 2402.76,225.59 J18.4@2479.06,225.59 ; R112.2@2358.27,-313.98 2371.06,-326.77 v1(2401.57,-326.77) 2477.87,-326.77 J19.4@2479.06,-325.59
  Solder Side w8: v3(239,750) 239,744.63 273.78,709.85 273.78,696.42 414.2,556 556.2,556 594.32,517.89 852.65,517.89 889.98,555.22 889.98,816.45 1122.09,1048.55 1278.15,1048.55 1317.96,1088.36 1481.47,1088.36 1499.63,1106.52 1679.03,1106.52 1745.3,1040.25 1745.3,805.66 1865.92,685.04 1968.5,685.04 v1(1972.44,681.1) ; v1(2401.57,-326.77) 2456.69,-271.65 2456.69,169.29 v1(2401.57,224.41)
NVM_START: Q1.G R17.2 U1.42 | length 1180.8
  Component Side w8: Q1.G@497.24,112.6 531.3,112.6 R17.2@550,131.3 708.66,-27.36 v1(708.66,-88.58) ; v1(1269.69,118.11) 1273.65,118.11 U1.42@1325.38,66.37
  Solder Side w8: v1(708.66,-88.58) 830.08,-210 902.32,-210 1132,19.68 1149.61,19.68 1200.79,70.87 1200.79,88.58 1230.31,118.11 v1(1269.69,118.11)
NVM_TX7: U1.17 U7.12 | length 784.2
  Component Side w8: U7.12@608.27,714.57 675.2,714.57 696.85,692.91 696.85,458.15 705,450 v1(705,425) ; v1(810,220) 886.3,220 913.39,192.91 913.39,172.18 U1.17@891.1,149.89
  Solder Side w8: v1(705,425) 770,360 770,290 810,250 v1(810,220)
NVM_WS: J1.D13 J18.3 J19.3 | length 4750.8
  Component Side w8: J1.D13@-25,625 0,600 211,600 250,639 v3(250,700) ; v1(1814.96,696.85) 1850.39,696.85 1909.45,637.8 2020.14,637.8 2097.56,560.38 2097.56,402.21 2143.91,355.86 2291.67,355.86 2352.36,295.16 2352.36,187.01 2391.73,147.64 2549.21,147.64 2559.06,157.48 2559.06,216.54 2568.11,225.59 J18.3@2639.06,225.59 v1(2716.54,225.59) ; J19.3@2639.06,-325.59 2640.24,-326.77 v1(2720.47,-326.77)
  Solder Side w8: v3(250,700) 250.4,700 410.4,540 542.68,540 578.79,503.89 858.45,503.89 903.98,549.43 903.98,809.17 1129.36,1034.55 1283.95,1034.55 1323.76,1074.36 1487.27,1074.36 1505.42,1092.52 1673.23,1092.52 1731.3,1034.45 1731.3,796.26 1814.96,712.6 v1(1814.96,696.85) ; v1(2716.54,225.59) 2661.42,170.47 2661.42,-267.72 v1(2720.47,-326.77)